# Altium PCB ActiTouch_PCB2.PcbDoc (continued)
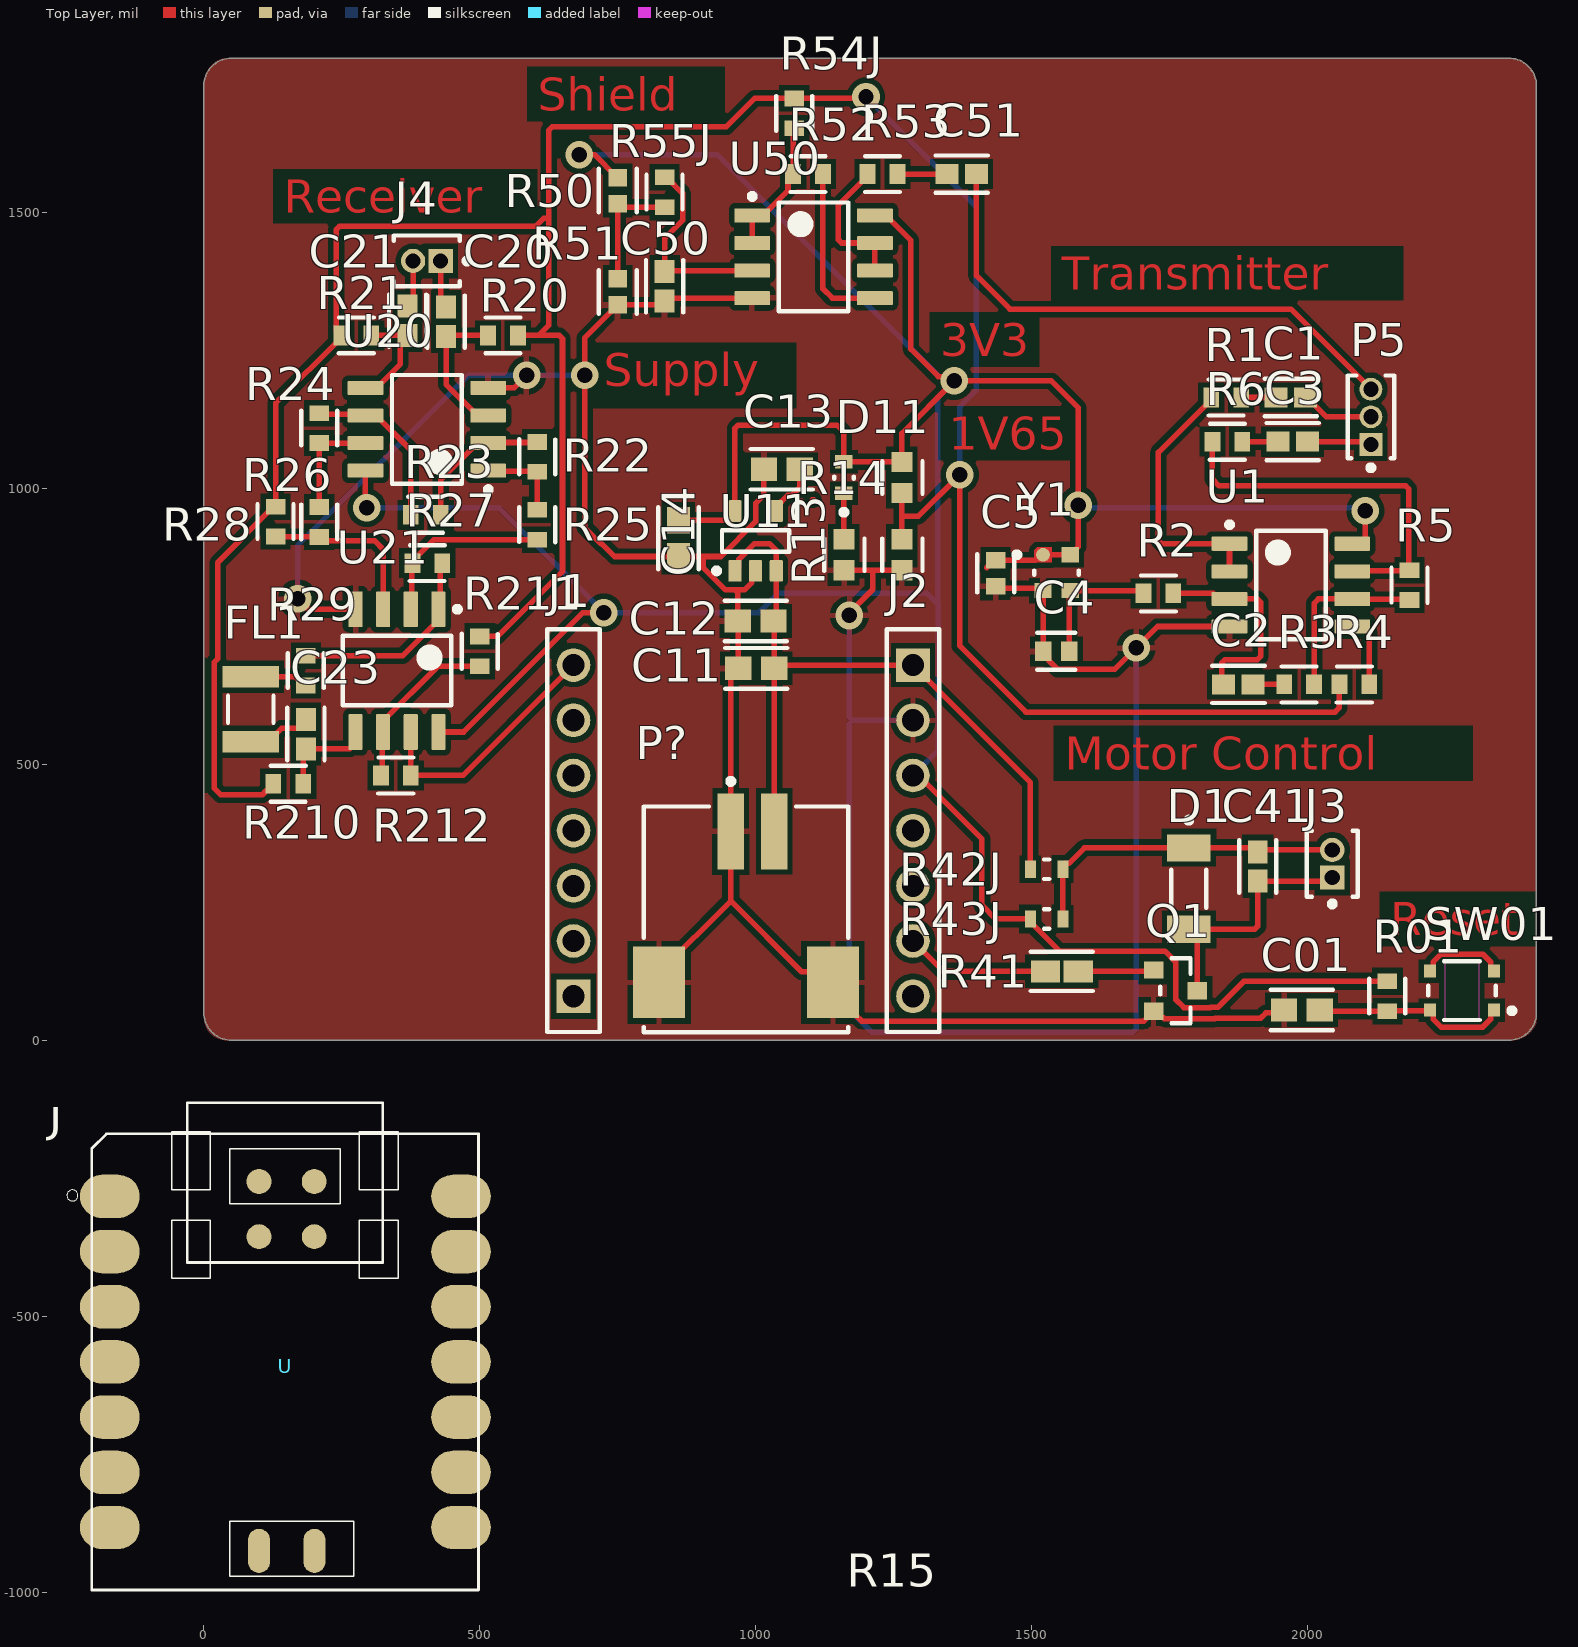
[diagram p0: Top Layer view]
## Part data (continued)
C13: library part CMP-2006-04559-3, "General Purpose Ceramic Capacitor, 0603, 1uF, 10%, X5R, 15%, 10V", Capacitance=0.01uF, Case Code (Imperial)=0603, Case Code (Metric)=1608, Dielectric=X5R, Insulation Resistance=100GR, Max Operating Temperature=85°C, Min Operating Temperature=-55°C, Package Quantity=4000, Tolerance=10%, Voltage=10V, Case/Package=0603, Construction=Flat, Contact Plating=Tin, Depth=0.81mm, Dissipation Factor=5%, Height=0.9mm, Lead Free="Lead Free", Length=1.6mm, Mount="Surface Mount", Number of Pins=2, Packaging="Tape and Reel", Radiation Hardening=No, REACH SVHC="No SVHC", RoHS Compliant=Yes, Series=-, Termination=SMD/SMT, Thickness=0.035inch, Voltage Rating=10V, Voltage Rating (DC)=10V, Width=0.81mm
D1: library part CMP-02540-000047-1, "DIODE GEN PURP 100V 300MA SOD80", Capacitance=4pF, Forward Current=300mA, Manufacturer=Vishay, Max Junction Temp=+175°C, Max Repetitive Reverse Voltage=100V, Max Surge Forward Current=2A, Package=6.560-5006.01-4, Peak Reverse Current=5uA, Reverse Voltage=75V, Temperature="to +175°C", Automotive=Yes, Automotive Grade="Grade 0", Category=Diode, ComponentLink2Description=Datasheet, ComponentLink2URL=http://www.vishay.com/docs/85561/ls4148.pdf, Device Class L1="Discrete Semiconductors", Device Class L2=Diodes, Device Class L3="Rectifier Diodes", Digikey Description="DIODE GEN PURP 100V 300MA SOD80", Height=1.6mm, Lead Free=Yes, Manufacturer Part Number=LS4448GS08, Mouser Description="Diodes - General Purpose, Power, Switching 100V Io/150mA 2.0 Amp IFSM", Octopart=https://octopart.com/ls4448gs08-vishay-55433966, RoHS=TRUE, Temperature Range High=+175°C
D11: library part CMP-02520-000009-1, "LED GREEN 0603 SMD", Ambient Temperature Range High=+100°C, Ambient Temperature Range Low=-40°C, Colour="Pure green", Forward Current=20mA, Forward Voltage=2.1V, Manufacturer=Vishay, Max Junction Temp=+120°C, Package=6.541-5056.01-4, Power Dissipation=90mW, Reverse Voltage=6V, Temperature="to +120°C", Automotive=Yes, Automotive Grade="Grade 3", Category=Diode, ComponentLink2Description=Datasheet, ComponentLink2URL=http://www.vishay.com/docs/83173/tlmb1100.pdf, Device Class L1=Optoelectronics, Device Class L2=LEDs, Device Class L3=unset, Digikey Description="LED GREEN 0603 SMD", Height=0.65mm, Lead Free=Yes, Led Orientation="Top View", Luminous Intensity=15mcd, Manufacturer Part Number=TLMP1100-GS08, Mouser Description="Standard LEDs - SMD Pure Green", Octopart=https://octopart.com/tlmp1100-gs08-vishay-55433993, Peak Emmision Wavelength=562nm, RoHS=TRUE, Temperature Range High=+120°C, Viewing Angle=160°, Wavelength=561nm
FL1: library part CMP-06047-000004-1, "Ceramic Filter 10.7MHz 2-Pin Surface Mount Emboss T/R"
J1 J2: library part CMP-1023-00284-1, "SQ Post Socket, Through-hole, Vertical, -55 to 125 degC, 2.54 mm Pitch, 7-Pin, Female, RoHS", Manufacturer=Samtec, Temperature Range="-55 to 125 degC", ComponentLink1Description="Manufacturer URL", ComponentLink1URL=http://www.samtec.com, ComponentLink2Description=Datasheet, ComponentLink2URL=http://www.samtec.com/documents/webfiles/pdf/SSQ_TH.PDF, ComponentLink3Description="Package Specification", ComponentLink3URL=http://www.samtec.com/documents/webfiles/cpdf/SSQ-1XX-XX-XXX-X-XX-XXX-XX-X-MKT.pdf, DatasheetVersion=F-214, Mounting Technology=Through-hole, Orientation=Vertical, PackageDescription="Assembly, Socket Strip .025[0.64] SQ Tail", PackageReference=SSQ-107-01-X-S, PackageVersion="BD, 6/1987", PartNumber=SSQ-107-01-G-S, Pitch="2.54 mm", RoHS=True
J3 J4: library part CMP-2000-06371-2, "CONN HEADER VERT 2POS 1.27MM", Package Quantity=1, Connector Type="Male Pin", Contact Mating Length=0.118inch, Contact Plating=Gold, Contact Type="Male Pin", Lead Free="Lead Free", Mount="Through Hole", Number of Positions=2, Number of Rows=1, Packaging=Bulk, Pitch=0.05inch, RoHS Compliant=Yes, Termination=Solder
P5: library part CMP-2000-06372-1, "Male Header, Pitch 1.27 mm, 1 x 3 Position, Height 4 mm, Tail Length 2.3 mm, -40 to 105 degC, RoHS, Bulk", Manufacturer=Sullins, Package Description="Male Header, Pitch 1.27 mm, 1 x 3 Position, Height 4 mm, Tail Length 2.3 mm", Standard Package=1, Catalog Drawings=S9014ESeriesTop, Category=Connectors,Interconnects, Connector Type=Header,Unshrouded, Contact Finish=Gold, Contact Finish Thickness=Flash, Contact Mating Length="0.118\"(3.00mm)", Contact Type=MalePin, Datasheet URL=http://www.sullinscorp.com/drawings/71_GRPB___1VWVN-RC,_10957-C.pdf, Datasheet Version="Rev. C, 12/2008", Dynamic Catalog=GRPB, Family=RectangularConnectors-Headers,MalePins, Manufacturer URL=http://www.sullinscorp.com/, Mating Products="S9010E-03-ND / -CONNHEADER.050\"3POSR/APCB / S9008E-03-ND / -CONNHEADER.050\"3POSPCBGOLD / S9005E-03-ND / -CONNHEADER.050\"3POSSMDGOLD", Mounting Technology=ThroughHole, Mounting Type=ThroughHole, Number of Positions=3, Number of Positions Loaded=All, Number of Rows=1, Other Names=S9014E-03, Package Reference=GRPB031VWVN-RC, Packaging=Bulk, Pitch="0.050\"(1.27mm)", Termination=Solder
P?: library part CMP-2000-05552-1, "Male Header, Pitch 2 mm, 1 x 2 Position, Height 5.8 mm, -40 to 105 degC, RoHS, Tape and Reel", Color=Black, Manufacturer="TE Connectivity", Package Description="Male Header, Pitch 2 mm, 1 x 2 Position, Height 5.8 mm", Standard Package=1, 3D Model=292173-2.pdf, Category=Connectors,Interconnects, Connector Type=Header,Shrouded, Contact Finish=Tin, Contact Mating Length="0.165\"(4.19mm)", Contact Type=MalePin, Datasheet URL=http://www.te.com/commerce/DocumentDelivery/DDEController?Action=showdoc&DocId=Customer+Drawing%7F292173%7FC3%7Fpdf%7FEnglish%7FENG_CD_292173_C3.pdf%7F292173-2, Datasheet Version="Rev. C3, 10/2011", Dynamic Catalog=CommonTermination,CTSeries, Family=RectangularConnectors-Headers,MalePins, Features=BoardGuide,SolderRetention, Manufacturer URL=http://www.te.com/, Mating Products="2-179694-2-ND / -CONNRCPT2POSIDCMT2MMSGL", Mounting Technology=SurfaceMount, Mounting Type=SurfaceMount,RightAngle, Number of Positions=2, Number of Positions Loaded=All, Number of Rows=1, Other Names=A98624DKR, Package Reference=292173-2, Packaging=Digi-Reel®, Pitch="0.079\"(2.00mm)", RoHS Information=292173-2StatementofCompliance, Series=CommonTermination,CT, Termination=Solder
Q1: library part CMP-12801-000001-1, "MOSFET N-CH 20V 2.8A SOT23", Continuous Drain Current=2.8A, Drain To Source Breakdown Voltage=20V, Drain To Source Resistance=61mΩ, Gate To Source Voltage=12V, Input Capacitace At Vds="130pF @ 10V", Manufacturer="Diodes Inc.", Max Forward Diode Voltage=1.2V, Max Junction Temp=+150°C, Package=SOT23, Power Dissipation=0.66W, Pulse Drain Current=12A, Temperature="-55°C to +150°C", Temperature Range Low=-55°C, Typ Forward Diode Voltage=0.7V, Automotive=Yes, Automotive Grade="Grade 0", Category=Trans, ComponentLink2Description=Datasheet, ComponentLink2URL=https://www.diodes.com/assets/Datasheets/DMG2302UK.pdf, Depletion Mode=False, Device Class L1="Discrete Semiconductors", Device Class L2=Transistors, Device Class L3=MOSFETs, Digikey Description="MOSFET N-CH 20V 2.8A SOT23", Drain To Source Voltage=20V, Footprint Url=https://www.diodes.com/assets/Package-Files/SOT23.pdf, Gate Charge At Vgs="2.8nC @ 10V", Height=1.1mm, Lead Free=Yes, Manufacturer Part Number=DMG2302UK-7, Number of Channels=1, Number Of N Channels=1, Octopart=https://octopart.com/dmg2302uk-7-diodes+inc.-73850182, Reverse Recovery Charge=0.5nC, Reverse Recovery Time=5.3ns, RoHS=TRUE, Rthja Max=192°C/W, Standoff Height=0.013mm, Temperature Range High=+150°C, Threshold Vgs Max=1V, Threshold Vgs Min=0.3V, Turn Off Delay Time=4.2ns, Turn On Delay Time=0.6ns
R1 R2 R6 R52 R53 R54J R55J: library part CMP-26527-000751-1, "10Ω ±1% 0.125W 0603 High Power Anti-Sulfur Thin Film Chip Resistor", Case Code (Imperial)=0603, Case Code (Metric)=1608, Max Operating Temperature=155°C, Max Power Dissipation=125mW, Min Operating Temperature=-55°C, Resistance=10R, Resistor Type="Thin Film", Temperature Coefficient=100ppm/°C, Tolerance=1%, Case/Package=0603, Features="Moisture Resistant", Height=0.02inch, Lead Free="Lead Free", Length=0.059inch, Mount="Surface Mount", Number of Terminations=2, Packaging="Tape and Reel", RoHS Compliant=Yes, Series=RNCP, Width=0.031inch
R01: library part CMP-26527-000144-1, "12.4kΩ ±1% 0.125W 0603 High Power Anti-Sulfur Thin Film Chip Resistor", Case Code (Imperial)=0603, Case Code (Metric)=1608, Max Operating Temperature=155°C, Max Power Dissipation=125mW, Min Operating Temperature=-55°C, Resistance=12.4kR, Resistor Type="Thin Film", Temperature Coefficient=100ppm/°C, Tolerance=1%, Case/Package=0603, Features="Moisture Resistant", Height=0.02inch, Length=0.059inch, Mount="Surface Mount", Number of Terminations=2, Packaging="Cut Tape", RoHS Compliant=Yes, Series=RNCP, Width=0.031inch
R3 R4 R5 R20 R21: library part CMP-26527-000751-1, "10Ω ±1% 0.125W 0603 High Power Anti-Sulfur Thin Film Chip Resistor", Case Code (Imperial)=0603, Case Code (Metric)=1608, Max Operating Temperature=155°C, Max Power Dissipation=125mW, Min Operating Temperature=-55°C, Resistance=10kR, Resistor Type="Thin Film", Temperature Coefficient=100ppm/°C, Tolerance=1%, Case/Package=0603, Features="Moisture Resistant", Height=0.02inch, Lead Free="Lead Free", Length=0.059inch, Mount="Surface Mount", Number of Terminations=2, Packaging="Tape and Reel", RoHS Compliant=Yes, Series=RNCP, Width=0.031inch
R13: library part CMP-2000-03864-2, "RES Thick Film, 11.5kΩ, 1%, 0.1W, 100ppm/°C, 0603", Case Code (Imperial)=0603, Case Code (Metric)=1608, Max Operating Temperature=155°C, Max Power Dissipation=100mW, Min Operating Temperature=-55°C, Package Quantity=10, Resistance=68R, Temperature Coefficient=100ppm/°C, Tolerance=1%, Voltage Rating=75V, Case/Package=0603, Composition="Thick Film", Contact Plating=Tin, Depth=0.85mm, Features="Automotive AEC-Q200", Height=0.45mm, Lead Free="Lead Free", Length=1.55mm, Military Standard=Not, Number of Pins=2, Number of Terminations=2, Packaging="Tape and Reel", Power Rating=100mW, Radiation Hardening=No, Termination=SMD/SMT, Voltage Rating (DC)=75V, Weight=7.1E-05oz, Width=0.85mm, Working Voltage=75V
R14 R15: library part CMP-2000-03864-2, "RES Thick Film, 11.5kΩ, 1%, 0.1W, 100ppm/°C, 0603", Case Code (Imperial)=0603, Case Code (Metric)=1608, Max Operating Temperature=155°C, Max Power Dissipation=100mW, Min Operating Temperature=-55°C, Package Quantity=10, Resistance=10kR, Temperature Coefficient=100ppm/°C, Tolerance=1%, Voltage Rating=75V, Case/Package=0603, Composition="Thick Film", Contact Plating=Tin, Depth=0.85mm, Features="Automotive AEC-Q200", Height=0.45mm, Lead Free="Lead Free", Length=1.55mm, Military Standard=Not, Number of Pins=2, Number of Terminations=2, Packaging="Tape and Reel", Power Rating=100mW, Radiation Hardening=No, Termination=SMD/SMT, Voltage Rating (DC)=75V, Weight=7.1E-05oz, Width=0.85mm, Working Voltage=75V
R22 R24 R27 R28 R211 R212: library part CMP-26527-000751-1, "10Ω ±1% 0.125W 0603 High Power Anti-Sulfur Thin Film Chip Resistor", Case Code (Imperial)=0603, Case Code (Metric)=1608, Max Operating Temperature=155°C, Max Power Dissipation=125mW, Min Operating Temperature=-55°C, Resistance=1kR, Resistor Type="Thin Film", Temperature Coefficient=100ppm/°C, Tolerance=1%, Case/Package=0603, Features="Moisture Resistant", Height=0.02inch, Lead Free="Lead Free", Length=0.059inch, Mount="Surface Mount", Number of Terminations=2, Packaging="Tape and Reel", RoHS Compliant=Yes, Series=RNCP, Width=0.031inch
R23: library part CMP-26527-000751-1, "10Ω ±1% 0.125W 0603 High Power Anti-Sulfur Thin Film Chip Resistor", Case Code (Imperial)=0603, Case Code (Metric)=1608, Max Operating Temperature=155°C, Max Power Dissipation=125mW, Min Operating Temperature=-55°C, Resistance=402R, Resistor Type="Thin Film", Temperature Coefficient=100ppm/°C, Tolerance=1%, Case/Package=0603, Features="Moisture Resistant", Height=0.02inch, Lead Free="Lead Free", Length=0.059inch, Mount="Surface Mount", Number of Terminations=2, Packaging="Tape and Reel", RoHS Compliant=Yes, Series=RNCP, Width=0.031inch
R25 R26: library part CMP-26527-000751-1, "10Ω ±1% 0.125W 0603 High Power Anti-Sulfur Thin Film Chip Resistor", Case Code (Imperial)=0603, Case Code (Metric)=1608, Max Operating Temperature=155°C, Max Power Dissipation=125mW, Min Operating Temperature=-55°C, Resistance=200R, Resistor Type="Thin Film", Temperature Coefficient=100ppm/°C, Tolerance=1%, Case/Package=0603, Features="Moisture Resistant", Height=0.02inch, Lead Free="Lead Free", Length=0.059inch, Mount="Surface Mount", Number of Terminations=2, Packaging="Tape and Reel", RoHS Compliant=Yes, Series=RNCP, Width=0.031inch
R29 R210: library part CMP-26527-000751-1, "10Ω ±1% 0.125W 0603 High Power Anti-Sulfur Thin Film Chip Resistor", Case Code (Imperial)=0603, Case Code (Metric)=1608, Max Operating Temperature=155°C, Max Power Dissipation=125mW, Min Operating Temperature=-55°C, Resistance=330R, Resistor Type="Thin Film", Temperature Coefficient=100ppm/°C, Tolerance=1%, Case/Package=0603, Features="Moisture Resistant", Height=0.02inch, Lead Free="Lead Free", Length=0.059inch, Mount="Surface Mount", Number of Terminations=2, Packaging="Tape and Reel", RoHS Compliant=Yes, Series=RNCP, Width=0.031inch
R41: library part CMP-26527-000099-1, "10kΩ ±1% 0.125W 0603 High Power Anti-Sulfur Thin Film Chip Resistor", Case Code (Imperial)=0603, Case Code (Metric)=1608, Max Operating Temperature=155°C, Max Power Dissipation=125mW, Min Operating Temperature=-55°C, Resistance=10kR, Resistor Type="Thin Film", Temperature Coefficient=100ppm/°C, Tolerance=1%, Case/Package=0603, Contact Plating=Tin, Features="Moisture Resistant", Height=0.02inch, Lead Free="Lead Free", Length=0.059inch, Mount="Surface Mount", Number of Terminations=2, Packaging="Tape and Reel", Radiation Hardening=No, RoHS Compliant=Yes, Series=RNCP, Width=0.031inch
R42J R43J: library part CMP-08839-000028-1, "100Ω ±5% 0.25W 0603 Anti-Surge Chip Resistor AEC-Q200", Case Code (Imperial)=0603, Case Code (Metric)=1608, Max Operating Temperature=155°C, Max Power Dissipation=250mW, Min Operating Temperature=-55°C, Power Rating=200mW, Resistance=100R, Temperature Coefficient=200ppm/°C, Tolerance=5%, Case/Package=0603, Features="Automotive AEC-Q200", Lead Free="Lead Free", Number of Terminations=2, Packaging="Tape and Reel", RoHS Compliant=Yes, Series=ESR, Size Code=0603
R50 R51: library part CMP-2000-06989-2, "100kΩ ±1% 0.1W 0603 Thick Film Chip Resistor AEC-Q200 compliant", Case Code (Imperial)=0603, Case Code (Metric)=1608, Max Operating Temperature=155°C, Max Power Dissipation=100mW, Min Operating Temperature=-55°C, Resistance=100kR, Resistor Type="Thick Film", Temperature Coefficient=100ppm/°C, Tolerance=1%, Working Voltage=75V, Case/Package=0603, Construction=Rectangular, Contact Plating=Tin, Depth=0.8mm, Features="Automotive AEC-Q200", Height=0.022inch, Lead Free="Lead Free", Length=1.55mm, Military Standard=Not, Mount="Surface Mount", Number of Terminations=2, Packaging="Tape and Reel", Power Rating=100mW, Radiation Hardening=No, RoHS Compliant=Yes, Series=RMCF, Width=0.031inch
SW01: library part CMP-05618-000093-1, "SWITCH TACTILE SPST-NO 0.02A 15V", Case/Package=SMD/SMT, Color=Black, Contact Resistance=500mR, Current Rating=50mA, Max Current Rating=20mA, Max Operating Temperature=85°C, Max Voltage Rating (DC)=15V, Min Operating Temperature=-40°C, Operating Force=2.4N, Package Quantity=1, Actuator Length=0.22mm, Actuator Type=Standard, Contact Plating=Silver, Depth=3.4mm, Electrical Life=500000Cycles, Height=0.7mm, Illumination Type=Non-Illuminated, Length=2.6mm, Mechanical Life=500000Cycles, Mount="Surface Mount", Orientation=Straight, Packaging="Tape and Reel", Radiation Hardening=No, REACH SVHC="No SVHC", Series=EVPAF, Size=2.6mm, Switch Function=Off-Mom, Switch Travel=0.15mm, Termination=J-Bend, Throw Configuration=SPST, Voltage Rating (DC)=15V
U1 U20 U21 U50: library part CMP-0018-00293-2, "Dual, Very Low Power, Rail to Rail Out, Negative Rail In, VFB Operational Amplifier, 2.5 to 5.5 V, -40 to 85 degC, 8-pin SOIC (D8), Green (RoHS & no Sb/Br)", Manufacturer="Texas Instruments", 2nd Harmonic(dBc)=85, 3rd Harmonic(dBc)=105, Acl, min stable gain(V/V)=1, BW @ Acl(MHz)=205, Code_JEDEC=MS-012, ComponentLink1Description="Manufacturer URL", ComponentLink1URL=http://www.ti.com/, ComponentLink2Description=Datasheet, ComponentLink2URL=http://www.ti.com/general/docs/lit/getliterature.tsp?genericPartNumber=OPA2836&fileType=pdf, ComponentLink3Description="Package Specification", ComponentLink3URL=http://www.ti.com/litv/pdf/msoi002j, DatasheetVersion=SLOS712D, Eco-Plan="Green (RoHS & no Sb/Br)", Iib(Max)(nA)=1000, Io(Typ)(mA)=50, Iq per channel(Max)(mA)=1, Mounting Technology="Surface Mount", Number of Channels=2, PackageDescription="8-Pin Plastic Small Outline, Body 4.9 x 3.9 mm, Pitch 1.27 mm", PackageReference=D0008A, PackageVersion="4040047-3/M, 06/2011", PartNumber=OPA2836IDR, Settling Time (0.1%)(Typ)(ns)=30, Slew Rate(Typ)(V/us)=560, Sub Family="High Output Current Amplifier (>=50mA), High Speed Amplifier (>=50MHz), Low Noise Amp (<=10nV/rtHz), Low Offset Voltage Amplifier (<=500uV), Low Supply Voltage Amplifier (<=2.7V)", Vio(Max)(mV)=0.4, Vn at Flatband(Typ)(nV/rtHz)=4.6, Vs(Max)(V)=5.5, Vs(Min)(V)=2.5
U11: library part CMP-0394-00176-2, "Single Output Fast Transient Response LDO, 250 mA, Fixed 3.3 V Output, 1.8 to 12 V Input, 5-pin SOT-23 (DBV), -55 to 125 degC, Green (RoHS & no Sb/Br)", Manufacturer="Texas Instruments", Accuracy(%)=1.5, Code_JEDEC=MO-178, ComponentLink1Description="Manufacturer URL", ComponentLink1URL=http://www.ti.com/, ComponentLink2Description=Datasheet, ComponentLink2URL=http://www.ti.com/general/docs/lit/getliterature.tsp?genericPartNumber=REG102-33&fileType=pdf, ComponentLink3Description="Package Specification", ComponentLink3URL=http://www.ti.com/litv/pdf/mpds018i, DatasheetVersion=SBVS024F, Eco-Plan="Green (RoHS & no Sb/Br)", Fixed Output Options(V)=3.3, Iout(Max)(A)=0.25, Iq(Typ)(mA)=0.4, Mounting Technology="Surface Mount", PackageDescription="5-Pin Plastic Small Outline, Body 1.60 Ãƒâ€” 2.90 mm, Pitch 0.95 mm", PackageReference=DBV0005A, PackageVersion=4073253-4/K, PartNumber=REG102NA-3.3/3K, SubFamily="Single Channel LDO", Vdo(Typ)(mV)=150, Vin(Max)(V)=12, Vin(Min)(V)=1.8, Vout Adj(Max)(V)=3.3, Vout Adj(Min)(V)=3.3
Y1: library part CMP-06255-000006-1, Case/Package=SMD/SMT, Frequency=24MHz, Frequency Stability=50ppm, Max Operating Temperature=85°C, Max Supply Current=1.3mA, Min Operating Temperature=-40°C, Ratings=AEC-Q100, Mount="Surface Mount", Packaging="Tape and Reel"

## Via types
v1: diameter 50, hole 28, Top Layer to Bottom Layer, 13 vias

## Nets (pads, with @x,y where several pads share a name; then routed paths per layer and width w, separated by ;. In a path a pad name is that pad's centre, name@x,y a point inside that pad or via, vN(x,y) a via of type N, cw(c..) or ccw(c..) an arc to the next point about the centre after c; other vN are vias at no path point)
1V65: R4.1 R14.1 R15.2 R20.1 R21.2 R28.1 R54J.2 R210.1 R211.1 | length 5395.4
  Top Layer w10: R210.1 125.87,461.56 116.59,452.28 113.15,452.28 105.87,445 30.86,445 18.82,457.04 18.82,684.95 25,691.13 25,865.51 126.56,967.07 R28.1 130,1154.82 249.13,1273.96 R21.2 240,1286.54 240,1469.14 245.86,1475 601.07,1475 616.07,1490 625.28,1490 ; R211.1 532.07,732.07 650,850 650,1271.54 644.14,1277.4 606.64,1277.4 ; R20.1 606.64,1277.4 ; v1@1190,1705 1187.93,1707.07 R54J.2 998.18,1707.07 946.39,1655.28 631.14,1655.28 625.28,1649.42 625.28,1490 ; R15.2 1265,950 ; R14.1 1265,950 ; R4.1 2057.93,602.93 2050,595 1490,595 1370,715 v1(1370,1025) 1295,950 1265,950 ; 606.64,1277.4 625.28,1296.04 625.28,1490
  Bottom Layer w10: v1(1200,1710) 1400,1510 1400,1178.43 1370,1148.43 v1(1370,1025)
3V3: C5.1 C14.1 D11.2 J2.3 R01.1 R14.2 R43J.2 R50.1 U1.8 U11.5 U20.8 U21.8 U50.8 U.12 Y1.1 Y1.4 | length 6934.6
  Top Layer w10: U20.8 292.91,967.09 v1(295,965) ; U21.8 470.79,558.78 687.01,775 v1(725,775) ; v1(680,1605) 707.64,1605 748.97,1563.66 R50.1 R50.1@743.66,1570 ; C14.1 953.85,942.51 962.6,951.26 U11.5 962.6,1109.14 968.46,1115 1147.4,1115 1160,1102.4 D11.2 1264.62,1048.54 R14.2 1265,1100 v1(1360,1195) ; U50.8 1235.91,1495 1281.24,1449.66 1281.24,1252.54 1331.13,1202.65 1352.35,1202.65 v1(1360,1195) ; J2.3 1295,480 1410,365 1410,245 1435,220 R43J.2 1497.87,214.09 1550.39,161.57 1741.76,161.57 1761.37,141.97 1761.37,73.95 1776.07,59.25 1823.93,59.25 1824.68,60 1837.85,60 1884.92,107.07 R01.1 ; C5.1@1418.88,856.83 1432.05,870 C5.1 1506.82,870 1516.78,879.96 Y1.1 Y1.4 1571.97,879.96 1580.75,888.74 1580.75,890.71 1584.93,894.89 1584.93,1146.19 1536.13,1195 v1(1360,1195) ; U1.8 2097.2,900 2105,907.8 v1(2105,960)
  Bottom Layer w10: v1(295,965) 535,965 v1(725,775) 1005.79,775 1040.79,810 1310.75,810 1330,790.75 ; v1(680,1605) 930,1605 1332.35,1202.65 1352.35,1202.65 v1(1360,1195) 1330,1165 1330,790.75 ; J2.3 1330.62,525.51 1330.62,790.13 1330,790.75 ; v1(1585,970) 1590,965 2100,965 v1(2105,960)
5V: C11.1 C12.1 J2.1 P?.2 R42J.2 U11.1 U11.3 U.14 U.15 | length 1338.5
  Top Layer w10: U11.1 969.41,857.68 969.41,871.81 997.6,900 1025,900 1037.4,887.6 U11.3 1037.4,764.89 C12.1 1033.7,758.81 C11.1 ; P?.2 C11.1 ; C11.1@1035,684.56 C11.1@1039.56,680 ; R42J.2 1497.87,467.24 J2.1 C11.1@1039.56,680 ; C11.1 C11.1@1039.56,680
GND: C01.2 C4.2 C5.2 C11.2 C12.2 C13.2 C14.2 C50.1 J2.2 P?.1 P?.MP1 P?.MP2 Q1.2 R13.1 R15.1 R51.2 U1.4 U11.2 U20.4 U21.4 U50.4 U.13 U.16 Y1.2 | length 6981.9
  Top Layer w10: v1(170,800) 188.78,781.22 U21.4 ; U20.4 562.4,1182.4 v1(585,1205) ; P?.MP1 825.04,122.72 954.96,252.64 ; U50.4 840,1345 C50.1 827.67,1332.67 R51.2 748.97,1332.67 738.11,1321.8 738.11,1320.78 690,1272.67 690,929.61 719.85,899.76 721.54,899.76 744.47,876.83 860,876.83 905,876.83 ; U11.2 993.19,844.06 993.19,829.92 979.45,816.18 962.6,816.18 ; C13.2 1014.97,988.24 1000,973.27 1000,940 936.83,876.83 905,876.83 ; v1@1160,765 1212.5,817.5 1212.5,851.83 ; R13.1 1212.5,851.83 ; R15.1 1212.5,851.83 ; C5.2 1438.88,818.88 1516.91,818.88 Y1.2 1521.38,814.41 C4.2 1531.14,695.24 1531.14,688.79 1547.64,672.28 1650.61,672.28 v1(1689.47,711.14) 1728.33,750 U1.4 ; C01.2 1952.08,49.59 1924.59,49.59 1915,40 1832.96,40 1832.21,39.25 1740.58,39.25 1737.98,41.85 1732.01,41.85 Q1.2 1703.66,35 1291.92,35 cw(c1285.11,80) 1278.3,35 1192.28,35 1189.35,37.93 1140,87.28 P?.MP2 1121.02,123.98 1083.61,123.98 954.96,252.64 ; 905,876.83 905,860.54 903.2,858.74 945.75,816.18 962.6,816.18 ; 954.96,252.64 P?.1 954.96,660.43 C11.2 968.67,758.81 C12.2 967.49,811.29 962.6,816.18
  Bottom Layer w10: v1(170,800) 170,896.57 478.43,1205 v1(585,1205) v1(690,1205) ; v1(1170,770) 1170,585.86 1175.86,580 ; J2.2 1175.86,580 ; v1(1689.47,711.14) 1689.47,20.86 1683.61,15 1210,15 1170,55 1170,574.14 1175.86,580
NetC1_1: C1.1 R1.2 | length 63.3
  Top Layer w10: R1.2 C1.1
NetC01_1: C01.1 R01.2 SW01.A SW01.A' | length 354.7
  Top Layer w10: C01.1 2024.58,52.93 R01.2 2145.82,53.75 2221.11,53.75 SW01.A' 2227.76,48.74 2227.76,38.35 2242.29,23.82 2317.71,23.82 2332.24,38.35 2332.24,48.74 SW01.A
NetC1_2: C1.2 P5.2 | length 132.8
  Top Layer w10: C1.2 1999.53,1165 2034.53,1130 P5.2
NetC2_1: C2.1 R2.2 U1.3 | length 378.2
  Top Layer w10: R2.2 1829.09,810 1839.09,800 U1.3 1909.14,800 1915,794.14 1915,695.86 1909.14,690 1850.86,690 1845,684.14 1845,648.34 C2.1
NetC2_2: C2.2 R3.1 | length 56.3
  Top Layer w10: C2.2 R3.1
NetC3_1: C3.1 R6.2 | length 64.6
  Top Layer w10: R6.2 C3.1
NetC3_2: C3.2 P5.1 | length 117.1
  Top Layer w10: C3.2 2110,1085 P5.1
NetC4_1: C4.1 R2.1 Y1.3 | length 245.6
  Top Layer w10: C4.1 1568.62,813.62 Y1.3 1697.93,815 R2.1
NetC13_1: C13.1 U11.4 | length 98.1
  Top Layer w10: U11.4 1037.4,967.01 1058.35,987.96 1066.23,987.96 1080,1001.73 C13.1
NetC20_1: C20.1 J4.1 | length 87.5
  Top Layer w10: J4.1 429.13,1339.06 C20.1
NetC20_2: C20.2 R20.2 U20.3 | length 263
  Top Layer w10: R20.2 440.79,1277.4 C20.2 439.13,1188.94 495.67,1132.4 U20.3
NetC21_1: C21.1 J4.2 | length 85.8
  Top Layer w10: C21.1 379.13,1340.72 J4.2
NetC21_2: C21.2 R21.1 U20.5 | length 204
  Top Layer w10: U20.5 312.6,1182.4 356.18,1225.98 356.18,1264.45 C21.2 R21.1
NetC23_1: C23.1 FL1.2 | length 118.5
  Top Layer w10: FL1.2 116.5,540.94 141.39,565.84 172.04,565.84 185,578.79 C23.1
NetC23_2: C23.2 R210.2 U21.5 | length 179.6
  Top Layer w10: R210.2 180,523.34 C23.2 264.24,528.34 275,539.09 U21.5
NetC41_1: C41.1 D1.2 J3.1 Q1.3 | length 463.9
  Top Layer w10: Q1.3 1800,186.18 D1.2 1904.14,201.18 1910,207.04 C41.1 2038.34,288.34 J3.1
NetC41_2: C41.2 D1.1 J3.2 R42J.1 R43J.1 | length 602
  Top Layer w10: R43J.1 R42J.1 1556.93,315.91 1561.77,320.75 1567.67,320.75 1595.74,348.82 D1.1 1902.84,348.82 C41.2 1913.34,345 J3.2
NetC50_2: C50.2 R55J.1 U50.3 | length 359.4
  Top Layer w10: R55J.1 838.44,1564.13 867.72,1534.86 867.72,1486.17 835,1453.46 C50.2 836.68,1395 U50.3
NetC51_1: C51.1 P5.3 | length 984.4
  Top Layer w10: C51.1 1400,1385.86 1460.88,1324.98 1970.02,1324.98 P5.3
NetC51_2: C51.2 R53.2 | length 89.6
  Top Layer w10: R53.2 C51.2
NetD11_1: D11.1 R13.2 | length 83.3
  Top Layer w10: R13.2 D11.1
NetFL1_1: FL1.1 R29.2 | length 106.7
  Top Layer w10: FL1.1 165.43,659.06 181.56,642.93 R29.2
NetQ1_1: Q1.1 R41.2 | length 137.7
  Top Layer w10: R41.2 1718.86,125 Q1.1
NetR1_1: R1.1 U1.1 U1.2 | length 483.5
  Top Layer w10: R1.1@1825.87,1168.44 R1.1 1825.87,1161.56 1730,1065.69 1730,905.86 1735.86,900 U1.1 U1.2
NetR3_2: R3.2 R5.1 U1.6 | length 324.1
  Top Layer w10: R3.2 2012.07,792.07 2020,800 U1.6 2082.25,798.97 2183.97,798.97 R5.1
NetR4_2: R4.2 U1.5 | length 129.3
  Top Layer w10: U1.5 2100.91,750 2112.07,738.84 R4.2
NetR5_2: R5.2 R6.1 U1.7 | length 692.7
  Top Layer w10: R6.1@1820.87,1092.07 R6.1 1827.93,1017.07 1840,1005 2178.11,1005 2183.97,999.14 2183.97,851.03 2082.25,851.03 U1.7
NetR22_1: R22.1 R23.2 U20.2 | length 266.9
  Top Layer w10: R23.2 429.13,1015.87 495.67,1082.4 U20.2 516.39,1083.43 603.1,1083.43 R22.1
NetR22_2: R22.2 R25.1 U20.1 | length 158.4
  Top Layer w10: U20.1 516.39,1031.37 603.1,1031.37 R22.2 R25.1
NetR23_1: R23.1 R24.1 U20.6 | length 311
  Top Layer w10: R24.1 211.2,1134.47 310.53,1134.47 375,1070 R23.1
NetR24_2: R24.2 R26.1 U20.7 | length 201.7
  Top Layer w10: R26.1 R26.1@214.13,961.54 ; R26.1@209.13,971.54 R24.2 U20.7
NetR25_2: R25.2 R27.1 U21.2 | length 330.8
  Top Layer w10: U21.2 376.47,782.69 376.47,863.53 R27.1 377.93,868.44 416.89,907.4 R25.2
NetR26_2: R26.2 R28.2 U21.3 | length 313.3
  Top Layer w10: R28.2 130.27,912.67 208.87,912.67 R26.2 216.54,905 310,905 325,890 U21.3
NetR27_2: R27.2 R29.1 U21.1 | length 373.1
  Top Layer w10: R29.1 360.53,697.07 425,761.54 U21.1 428.53,784.75 428.53,861.47 R27.2
NetR50_2: R50.2 R51.1 R55J.2 | length 224
  Top Layer w10: R51.1 R50.2 756.34,1510 R55J.2
NetR52_1: R52.1 R54J.1 U50.1 U50.2 | length 251
  Top Layer w10: U50.2 U50.1 1013.46,1495 1058.66,1540.2 1058.66,1560.73 R52.1 1067.93,1650.87 R54J.1
NetR52_2: R52.2 U50.5 | length 309.2
  Top Layer w10: R52.2 1122.07,1362.07 1139.13,1345 U50.5
NetR53_1: R53.1 U50.6 U50.7 | length 259.7
  Top Layer w10: R53.1 1202.93,1566.56 1150,1513.62 1150,1450.86 1155.86,1445 U50.7 U50.6
NetR211_2: R211.2 R212.1 U21.6 | length 316.4
  Top Layer w10: R212.1 322.93,482.07 322.93,556.71 U21.6 325,578.46 424.47,677.93 R211.2
NetSW01_B: SW01.B SW01.B' U.19 | length 153.8
  Top Layer w10: SW01.B' 2227.76,131.26 2227.76,141.65 2242.29,156.18 2317.71,156.18 2332.24,141.65 2332.24,131.26 SW01.B
PA02_A0_D0: J1.7 R212.2 U21.7 U.1 | length 456.6
  Top Layer w10: U21.7 R212.2 470,480 J1.7
PA4_A1_D1: J1.6 U.2
PA5_A9_D9_MISO: J2.5 U.10
PA6_A10_D10_MOIS: J2.4 U.11
PA7_A8_D8_SCK: J2.6 R41.1 U.9 | length 263.1
  Top Layer w10: J2.6 1340.11,125 R41.1
PA9_A5_D5_SCL: J1.2 U.6
PA10_A2_D2: J1.5 U.3
PA11_A3_D3: J1.4 U.4
PAB_A4_D4_SDA: J1.3 U.5
PB08_A6_D6_TX: J1.1 U.7
PB09_A7_D7_RX: J2.7 U.8
pads on no net: U.17 U.18 U.20
copper on no net: | length 2.2
  Top Layer w10: 1102.75,980 1105,980

## Polygon pours and split planes (outlines as drawn)
GND on Bottom Layer "GND_L02_P003" (solid, pour order 3): 0,1730 cw(c50,1730) 50,1780 2365,1780 cw(c2365,1730) 2415,1730 2415,50 cw(c2365,50) 2365,0 50,0 cw(c50,50) 0,50
GND on Top Layer "GND_L01_P007" (solid, pour order 7): 2416.06,1730.24 2416.06,45.24 cw(c2371.06,45.24) 2371.06,0.24 41.06,0.24 cw(c41.06,40.24) 1.06,40.24 1.06,1735.24 cw(c46.06,1735.24) 46.06,1780.24 2366.06,1780.24 cw(c2366.06,1730.25) 2416.05,1730.25

## Other copper
Top Layer:
  text "Shield" at 605,1685 h60
  text "Receiver" at 145,1500 h60
  text "Transmitter" at 1555,1360 h60
  text "3V3" at 1335,1240 h60
  text "Supply" at 725,1184.99 h60
  text "1V65" at 1350,1070 h60
  text "Motor Control" at 1560,490 h60
  text "Reset" at 2150,190 h60

## Silkscreen, mask and mechanical layers (free items; w line width, h text height)
Mechanical 3:
  the board outline again, w10
CutOut:
  the board outline again, w47.24